# Altium PCB spd150.PcbDoc (part 3 of 15) (continued)
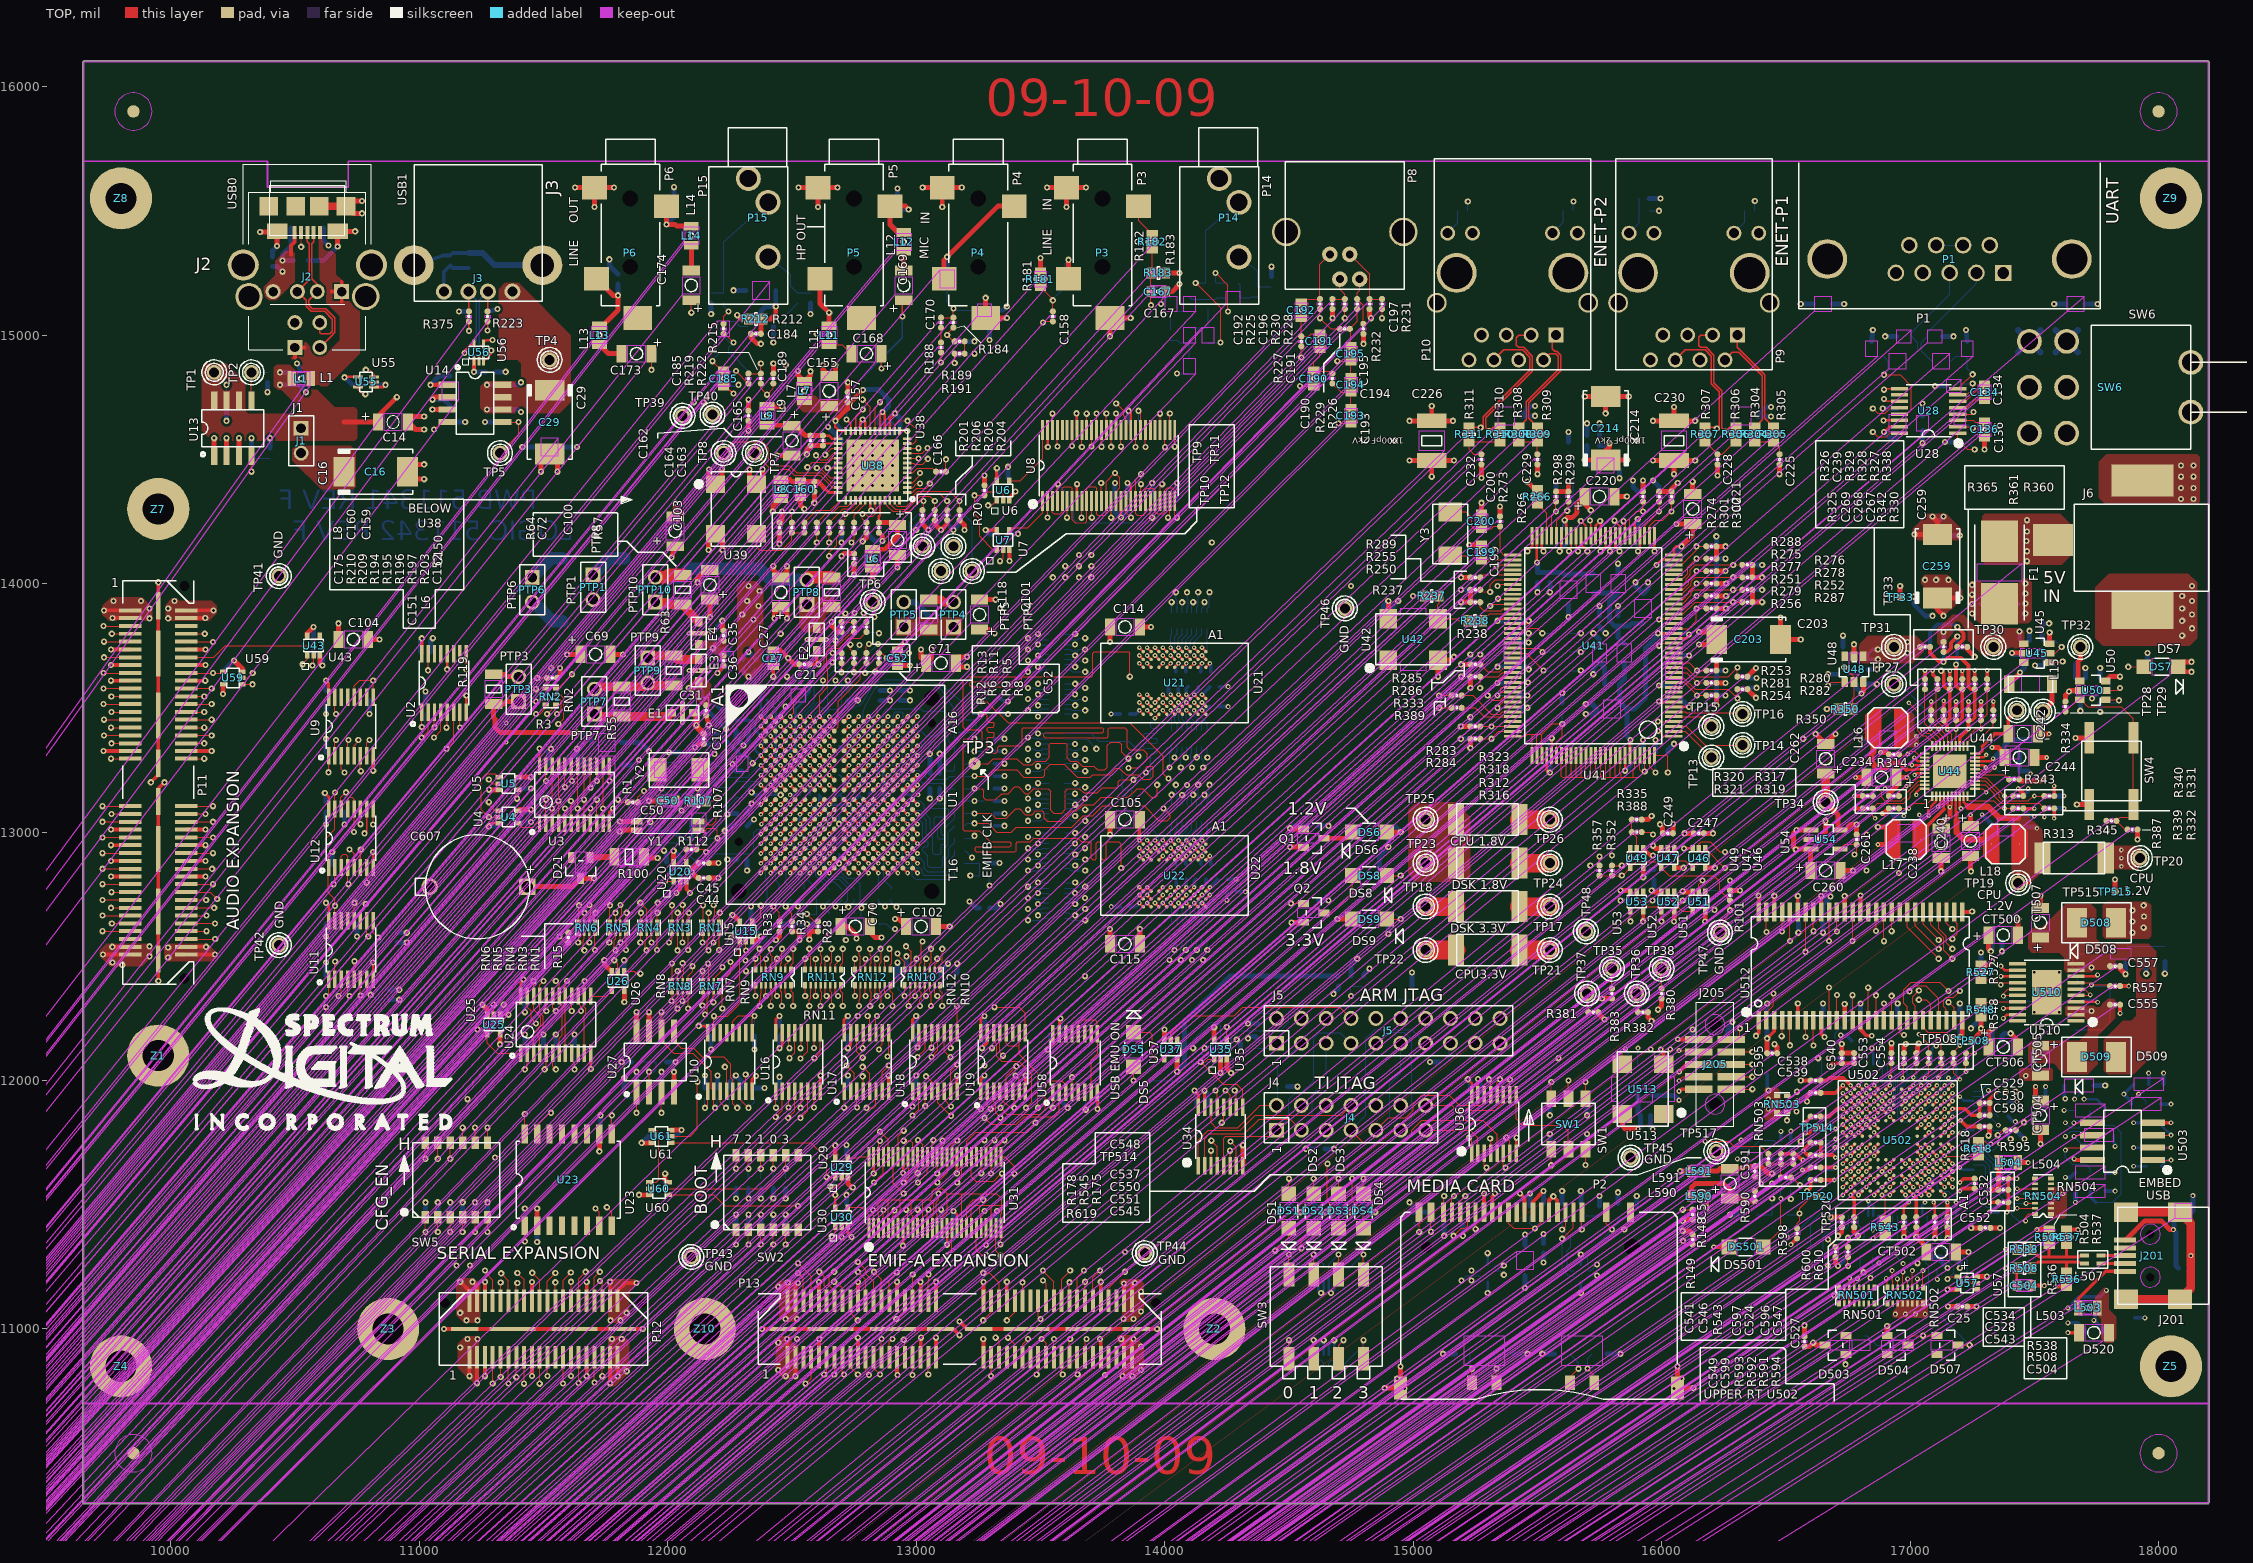
[diagram p0: TOP view]
## Footprints (in the part's own frame and the unit in brackets; to place one, negate y for a bottom-side part, rotate by r counter-clockwise, add the part's x,y. Pads: shape width x height; smd on the part's side, far side on the other; paste and mask are expansions set on the pad) (continued)
R402-25#39 [mil] "R402-25"
  round 25 smd: 1(20,0) 2(-20,0)
  TOP keep-out region: 5,10 5,-10 -5,-10 -5,10 5,10 11450,15050
  silkscreen extent -4,-4 4,4
R402-25#40 [mil] "R402-25"
  round 25 smd: 1(20,0) 2(-20,0)
  TOP keep-out region: 5,10 5,-10 -5,-10 -5,10 5,10 14475,-11975
  silkscreen extent -4,-4 4,4
R402-25#41 [mil] "R402-25"
  round 25 smd: 1(20,0) 2(-20,0)
  TOP keep-out region: 5,10 5,-10 -5,-10 -5,10 5,10 12150,14250
  silkscreen extent -4,-4 4,4
R402-25#42 [mil] "R402-25"
  round 25 smd: 1(-20,0) 2(20,0)
  TOP keep-out region: -5,-10 -5,10 5,10 5,-10 -5,-10 11685,-16430
  silkscreen extent -4,-4 4,4
R402-25#43 [mil] "R402-25"
  round 25 smd: 1(-20,0) 2(20,0)
  TOP keep-out region: -5,-10 -5,10 5,10 5,-10 -5,-10 15050,-13150
  silkscreen extent -4,-4 4,4
R402-25#44 [mil] "R402-25"
  round 25 smd: 1(20,0) 2(-20,0)
  TOP keep-out region: 5,10 5,-10 -5,-10 -5,10 5,10 15525,12925
  silkscreen extent -4,-4 4,4
R402-25#45 [mil] "R402-25"
  round 25 smd: 1(-20,0) 2(20,0)
  TOP keep-out region: -5,-10 -5,10 5,10 5,-10 -5,-10 14950,-13100
  silkscreen extent -4,-4 4,4
R402-25#46 [mil] "R402-25"
  round 25 smd: 1(-20,0) 2(20,0)
  TOP keep-out region: -5,-10 -5,10 5,10 5,-10 -5,-10 13175,14925
  silkscreen extent -4,-4 4,4
R402-25#47 [mil] "R402-25"
  round 25 smd: 1(20,0) 2(-20,0)
  TOP keep-out region: 5,10 5,-10 -5,-10 -5,10 5,10 15225,11800
  silkscreen extent -4,-4 4,4
R402-25#48 [mil] "R402-25"
  round 25 smd: 1(20,0) 2(-20,0)
  TOP keep-out region: 5,10 5,-10 -5,-10 -5,10 5,10 14275,13175
  silkscreen extent -4,-4 4,4
R402-25#49 [mil] "R402-25"
  round 25 smd: 1(-20,0) 2(20,0)
  TOP keep-out region: -5,-10 -5,10 5,10 5,-10 -5,-10 14275,-13175
  silkscreen extent -4,-4 4,4
R402-25#50 [mil] "R402-25"
  round 25 smd: 1(-20,0) 2(20,0)
  TOP keep-out region: -5,-10 -5,10 5,10 5,-10 -5,-10 14225,-12500
  silkscreen extent -4,-4 4,4
R402-25#51 [mil] "R402-25"
  round 25 smd: 1(20,0) 2(-20,0)
  TOP keep-out region: 5,10 5,-10 -5,-10 -5,10 5,10 15000,14025
  silkscreen extent -4,-4 4,4
R402-25#52 [mil] "R402-25"
  round 25 smd: 1(20,0) 2(-20,0)
  TOP keep-out region: 5,10 5,-10 -5,-10 -5,10 5,10 15125,14175
  silkscreen extent -4,-4 4,4
R402-25#53 [mil] "R402-25"
  round 25 smd: 1(20,0) 2(-20,0)
  TOP keep-out region: 5,10 5,-10 -5,-10 -5,10 5,10 15175,14375
  silkscreen extent -4,-4 4,4
R402-25#54 [mil] "R402-25"
  round 25 smd: 1(20,0) 2(-20,0)
  TOP keep-out region: 5,10 5,-10 -5,-10 -5,10 5,10 12225,-14925
  silkscreen extent -4,-4 4,4
R402-25#55 [mil] "R402-25"
  round 25 smd: 1(20,0) 2(-20,0)
  TOP keep-out region: 5,10 5,-10 -5,-10 -5,10 5,10 15150,12225
  silkscreen extent -4,-4 4,4
R402-25#56 [mil] "R402-25"
  round 25 smd: 1(-20,0) 2(20,0)
  TOP keep-out region: -5,-10 -5,10 5,10 5,-10 -5,-10 14825,-12375
  silkscreen extent -4,-4 4,4
R402-25#57 [mil] "R402-25"
  round 25 smd: 1(-20,0) 2(20,0)
  TOP keep-out region: -5,-10 -5,10 5,10 5,-10 -5,-10 14975,-14550
  silkscreen extent -4,-4 4,4
R402-25#58 [mil] "R402-25"
  round 25 smd: 1(-20,0) 2(20,0)
  TOP keep-out region: -5,-10 -5,10 5,10 5,-10 -5,-10 15025,-14800
  silkscreen extent -4,-4 4,4
R402-25#59 [mil] "R402-25"
  round 25 smd: 1(20,0) 2(-20,0)
  TOP keep-out region: 5,10 5,-10 -5,-10 -5,10 5,10 15930,-15500
  silkscreen extent -4,-4 4,4
R402-25#60 [mil] "R402-25"
  round 25 smd: 1(20,0) 2(-20,0)
  TOP keep-out region: 5,10 5,-10 -5,-10 -5,10 5,10 16355,-15500
  silkscreen extent -4,-4 4,4
R402-25#61 [mil] "R402-25"
  round 25 smd: 1(20,0) 2(-20,0)
  TOP keep-out region: 5,10 5,-10 -5,-10 -5,10 5,10 15200,-15500
  silkscreen extent -4,-4 4,4
R402-25#62 [mil] "R402-25"
  round 25 smd: 1(20,0) 2(-20,0)
  TOP keep-out region: 5,10 5,-10 -5,-10 -5,10 5,10 15625,-15500
  silkscreen extent -4,-4 4,4
R402-25#63 [mil] "R402-25"
  round 25 smd: 1(20,0) 2(-20,0)
  TOP keep-out region: 5,10 5,-10 -5,-10 -5,10 5,10 15250,-13975
  silkscreen extent -4,-4 4,4
R402-25#64 [mil] "R402-25"
  round 25 smd: 1(-20,0) 2(20,0)
  TOP keep-out region: -5,-10 -5,10 5,10 5,-10 -5,-10 15250,13975
  silkscreen extent -4,-4 4,4
R402-25#65 [mil] "R402-25"
  round 25 smd: 1(-20,0) 2(20,0)
  TOP keep-out region: -5,-10 -5,10 5,10 5,-10 -5,-10 14250,-15350
  silkscreen extent -4,-4 4,4
R402-25#66 [mil] "R402-25"
  round 25 smd: 1(20,0) 2(-20,0)
  TOP keep-out region: 5,10 5,-10 -5,-10 -5,10 5,10 15400,-13550
  silkscreen extent -4,-4 4,4
R402-25#67 [mil] "R402-25"
  round 25 smd: 1(20,0) 2(-20,0)
  TOP keep-out region: 5,10 5,-10 -5,-10 -5,10 5,10 13120,16860
  silkscreen extent -4,-4 4,4
R402-25#68 [mil] "R402-25"
  round 25 smd: 1(-20,0) 2(20,0)
  TOP keep-out region: -5,-10 -5,10 5,10 5,-10 -5,-10 13470,-17085
  silkscreen extent -4,-4 4,4
R402-25#69 [mil] "R402-25"
  round 25 smd: 1(-20,0) 2(20,0)
  TOP keep-out region: -5,-10 -5,10 5,10 5,-10 -5,-10 13595,-17060
  silkscreen extent -4,-4 4,4
R402-25#70 [mil] "R402-25"
  round 25 smd: 1(-20,0) 2(20,0)
  TOP keep-out region: -5,-10 -5,10 5,10 5,-10 -5,-10 17560,13145
  silkscreen extent -4,-4 4,4
R402-25#71 [mil] "R402-25"
  round 25 smd: 1(-20,0) 2(20,0)
  TOP keep-out region: -5,-10 -5,10 5,10 5,-10 -5,-10 15900,13050
  silkscreen extent -4,-4 4,4
R402-25#72 [mil] "R402-25"
  round 25 smd: 1(20,0) 2(-20,0)
  TOP keep-out region: 5,10 5,-10 -5,-10 -5,10 5,10 17560,-13145
  silkscreen extent -4,-4 4,4
R402-25#73 [mil] "R402-25"
  round 25 smd: 1(-20,0) 2(20,0)
  TOP keep-out region: -5,-10 -5,10 5,10 5,-10 -5,-10 17435,13095
  silkscreen extent -4,-4 4,4
R402-25#74 [mil] "R402-25"
  round 25 smd: 1(20,0) 2(-20,0)
  TOP keep-out region: 5,10 5,-10 -5,-10 -5,10 5,10 17435,-13095
  silkscreen extent -4,-4 4,4
R402-25#75 [mil] "R402-25"
  round 25 smd: 1(-20,0) 2(20,0)
  TOP keep-out region: -5,-10 -5,10 5,10 5,-10 -5,-10 17810,13045
  silkscreen extent -4,-4 4,4
R402-25#76 [mil] "R402-25"
  round 25 smd: 1(20,0) 2(-20,0)
  TOP keep-out region: 5,10 5,-10 -5,-10 -5,10 5,10 17460,-13770
  silkscreen extent -4,-4 4,4
R402-25#77 [mil] "R402-25"
  round 25 smd: 1(-20,0) 2(20,0)
  TOP keep-out region: -5,-10 -5,10 5,10 5,-10 -5,-10 12845,-15800
  silkscreen extent -4,-4 4,4
R402-25#78 [mil] "R402-25"
  round 25 smd: 1(20,0) 2(-20,0)
  TOP keep-out region: 5,10 5,-10 -5,-10 -5,10 5,10 17685,-13620
  silkscreen extent -4,-4 4,4
R402-25#79 [mil] "R402-25"
  round 25 smd: 1(20,0) 2(-20,0)
  TOP keep-out region: 5,10 5,-10 -5,-10 -5,10 5,10 17785,-13620
  silkscreen extent -4,-4 4,4
R402-25#80 [mil] "R402-25"
  round 25 smd: 1(20,0) 2(-20,0)
  TOP keep-out region: 5,10 5,-10 -5,-10 -5,10 5,10 17060,-13745
  silkscreen extent -4,-4 4,4
R402-25#81 [mil] "R402-25"
  round 25 smd: 1(-20,0) 2(20,0)
  TOP keep-out region: -5,-10 -5,10 5,10 5,-10 -5,-10 17210,13745
  silkscreen extent -4,-4 4,4
R402-25#82 [mil] "R402-25"
  round 25 smd: 1(-20,0) 2(20,0)
  TOP keep-out region: -5,-10 -5,10 5,10 5,-10 -5,-10 13745,-17135
  silkscreen extent -4,-4 4,4
R402-25#83 [mil] "R402-25"
  round 25 smd: 1(-20,0) 2(20,0)
  TOP keep-out region: -5,-10 -5,10 5,10 5,-10 -5,-10 12350,-16000
  silkscreen extent -4,-4 4,4
R402-25#84 [mil] "R402-25"
  round 25 smd: 1(-20,0) 2(20,0)
  TOP keep-out region: -5,-10 -5,10 5,10 5,-10 -5,-10 17895,13010
  silkscreen extent -4,-4 4,4
R402-25#85 [mil] "R402-25"
  round 25 smd: 1(20,0) 2(-20,0)
  TOP keep-out region: 5,10 5,-10 -5,-10 -5,10 5,10 15215,14430
  silkscreen extent -4,-4 4,4
R402-25#86 [mil] "R402-25"
  round 25 smd: 1(20,0) 2(-20,0)
  TOP keep-out region: 5,10 5,-10 -5,-10 -5,10 5,10 15075,11200
  silkscreen extent -4,-4 4,4
R402-25#87 [mil] "R402-25"
  round 25 smd: 1(20,0) 2(-20,0)
  TOP keep-out region: 5,10 5,-10 -5,-10 -5,10 5,10 12820,11950
  silkscreen extent -4,-4 4,4
R402-25#88 [mil] "R402-25"
  round 25 smd: 1(20,0) 2(-20,0)
  TOP keep-out region: 5,10 5,-10 -5,-10 -5,10 5,10 12300,17690
  silkscreen extent -4,-4 4,4
R402-25#89 [mil] "R402-25"
  round 25 smd: 1(20,0) 2(-20,0)
  TOP keep-out region: 5,10 5,-10 -5,-10 -5,10 5,10 16285,-12165
  silkscreen extent -4,-4 4,4
R402-25#90 [mil] "R402-25"
  round 25 smd: 1(-20,0) 2(20,0)
  TOP keep-out region: -5,-10 -5,10 5,10 5,-10 -5,-10 17825,12380
  silkscreen extent -4,-4 4,4
R402-25#91 [mil] "R402-25"
  round 25 smd: 1(-20,0) 2(20,0)
  TOP keep-out region: -5,-10 -5,10 5,10 5,-10 -5,-10 11385,-16545
  silkscreen extent -4,-4 4,4
R402-25#92 [mil] "R402-25"
  round 25 smd: 1(-20,0) 2(20,0)
  TOP keep-out region: -5,-10 -5,10 5,10 5,-10 -5,-10 11310,-16700
  silkscreen extent -4,-4 4,4
R402-25#93 [mil] "R402-25"
  round 25 smd: 1(20,0) 2(-20,0)
  TOP keep-out region: 5,10 5,-10 -5,-10 -5,10 5,10 12235,16950
  silkscreen extent -4,-4 4,4
R402-25#94 [mil] "R402-25"
  round 25 smd: 1(20,0) 2(-20,0)
  TOP keep-out region: 5,10 5,-10 -5,-10 -5,10 5,10 16785,-12160
  silkscreen extent -4,-4 4,4
R402-25#95 [mil] "R402-25"
  round 25 smd: 1(-20,0) 2(20,0)
  TOP keep-out region: -5,-10 -5,10 5,10 5,-10 -5,-10 16500,11610
  silkscreen extent -4,-4 4,4
R603-35X45#1 [mil] "R603-35X45"
  rrect0% 35x45 smd: 1(30,0) 2(-30,0)
  TOP keep-out region: 10,-20 -10,-20 -10,20 10,20 10,-20 17980,-11655
  silkscreen extent -5,-25 5,25
R603-35X45#2 [mil] "R603-35X45"
  rrect0% 35x45 smd: 1(-30,0) 2(30,0)
  TOP keep-out region: -10,20 10,20 10,-20 -10,-20 -10,20 12125,13125
  silkscreen extent -5,-25 5,25
R603-35X45#3 [mil] "R603-35X45"
  rrect0% 35x45 smd: 1(30,0) 2(-30,0)
  TOP keep-out region: 10,-20 -10,-20 -10,20 10,20 10,-20 -11475,-15825
  silkscreen extent -5,-25 5,25
R603-35X45#4 [mil] "R603-35X45"
  rrect0% 35x45 smd: 1(30,0) 2(-30,0)
  TOP keep-out region: 10,-20 -10,-20 -10,20 10,20 10,-20 11450,15125
  silkscreen extent -5,-25 5,25
R603-35X45#5 [mil] "R603-35X45"
  rrect0% 35x45 smd: 1(30,0) 2(-30,0)
  TOP keep-out region: 10,-20 -10,-20 -10,20 10,20 10,-20 15600,-10900
  silkscreen extent -5,-25 5,25
R603-35X45#6 [mil] "R603-35X45"
  rrect0% 35x45 smd: 1(30,0) 2(-30,0)
  TOP keep-out region: 10,-20 -10,-20 -10,20 10,20 10,-20 15200,-10900
  silkscreen extent -5,-25 5,25
R603-35X45#7 [mil] "R603-35X45"
  rrect0% 35x45 smd: 1(30,0) 2(-30,0)
  TOP keep-out region: 10,-20 -10,-20 -10,20 10,20 10,-20 14225,-12075
  silkscreen extent -5,-25 5,25
R603-35X45#8 [mil] "R603-35X45"
  rrect0% 35x45 smd: 1(30,0) 2(-30,0)
  TOP keep-out region: 10,-20 -10,-20 -10,20 10,20 10,-20 16350,-11460
  silkscreen extent -5,-25 5,25
R603-35X45#9 [mil] "R603-35X45"
  rrect0% 35x45 smd: 1(30,0) 2(-30,0)
  TOP keep-out region: 10,-20 -10,-20 -10,20 10,20 10,-20 15025,-12375
  silkscreen extent -5,-25 5,25
R603-35X45#10 [mil] "R603-35X45"
  rrect0% 35x45 smd: 1(-30,0) 2(30,0)
  TOP keep-out region: -10,20 10,20 10,-20 -10,-20 -10,20 -15225,13500
  silkscreen extent -5,-25 5,25
R603-35X45#11 [mil] "R603-35X45"
  rrect0% 35x45 smd: 1(-30,0) 2(30,0)
  TOP keep-out region: -10,20 10,20 10,-20 -10,-20 -10,20 15375,-13950
  silkscreen extent -5,-25 5,25
R603-35X45#12 [mil] "R603-35X45"
  rrect0% 35x45 smd: 1(-30,0) 2(30,0)
  TOP keep-out region: -10,20 10,20 10,-20 -10,-20 -10,20 12355,15065
  silkscreen extent -5,-25 5,25
R603-35X45#13 [mil] "R603-35X45"
  rrect0% 35x45 smd: 1(-30,0) 2(30,0)
  TOP keep-out region: -10,20 10,20 10,-20 -10,-20 -10,20 15250,13850
  silkscreen extent -5,-25 5,25
R603-35X45#14 [mil] "R603-35X45"
  rrect0% 35x45 smd: 1(-30,0) 2(30,0)
  TOP keep-out region: -10,20 10,20 10,-20 -10,-20 -10,20 14350,-15500
  silkscreen extent -5,-25 5,25
R603-35X45#15 [mil] "R603-35X45"
  rrect0% 35x45 smd: 1(-30,0) 2(30,0)
  TOP keep-out region: -10,20 10,20 10,-20 -10,-20 -10,20 14600,-16375
  silkscreen extent -5,-25 5,25
R603-35X45#16 [mil] "R603-35X45"
  rrect0% 35x45 smd: 1(30,0) 2(-30,0)
  TOP keep-out region: 10,-20 -10,-20 -10,20 10,20 10,-20 12970,16660
  silkscreen extent -5,-25 5,25
R603-35X45#17 [mil] "R603-35X45"
  rrect0% 35x45 smd: 1(30,0) 2(-30,0)
  TOP keep-out region: 10,-20 -10,-20 -10,20 10,20 10,-20 10525,-15300
  silkscreen extent -5,-25 5,25
R603-35X45#18 [mil] "R603-35X45"
  rrect0% 35x45 smd: 1(30,0) 2(-30,0)
  TOP keep-out region: 10,-20 -10,-20 -10,20 10,20 10,-20 15300,11200
  silkscreen extent -5,-25 5,25
R603-35X45#19 [mil] "R603-35X45"
  rrect0% 35x45 smd: 1(-30,0) 2(30,0)
  TOP keep-out region: -10,20 10,20 10,-20 -10,-20 -10,20 11370,-17560
  silkscreen extent -5,-25 5,25
R603-35X45#20 [mil] "R603-35X45"
  rrect0% 35x45 smd: 1(-30,0) 2(30,0)
  TOP keep-out region: -10,20 10,20 10,-20 -10,-20 -10,20 12435,-17285
  silkscreen extent -5,-25 5,25
R603-35X45#21 [mil] "R603-35X45"
  rrect0% 35x45 smd: 1(30,0) 2(-30,0)
  TOP keep-out region: 10,-20 -10,-20 -10,20 10,20 10,-20 12435,17285
  silkscreen extent -5,-25 5,25
R603-35X45#22 [mil] "R603-35X45"
  rrect0% 35x45 smd: 1(30,0) 2(-30,0)
  TOP keep-out region: 10,-20 -10,-20 -10,20 10,20 10,-20 17715,-11085
  silkscreen extent -5,-25 5,25
R603-35X45#23 [mil] "R603-35X45"
  rrect0% 35x45 smd: 1(-30,0) 2(30,0)
  TOP keep-out region: -10,20 10,20 10,-20 -10,-20 -10,20 11200,-17630
  silkscreen extent -5,-25 5,25
R603-35X45#24 [mil] "R603-35X45"
  rrect0% 35x45 smd: 1(-30,0) 2(30,0)
  TOP keep-out region: -10,20 10,20 10,-20 -10,-20 -10,20 11410,-16900
  silkscreen extent -5,-25 5,25
R603-35X45#25 [mil] "R603-35X45"
  rrect0% 35x45 smd: 1(30,0) 2(-30,0)
  TOP keep-out region: 10,-20 -10,-20 -10,20 10,20 10,-20 12510,18025
  silkscreen extent -5,-25 5,25
R603-35X45#26 [mil] "R603-35X45"
  rrect0% 35x45 smd: 1(-30,0) 2(30,0)
  TOP keep-out region: -10,20 10,20 10,-20 -10,-20 -10,20 11725,-17275
  silkscreen extent -5,-25 5,25
R1206-40X70#1 [mil] "R1206-40X70"
  rrect0% 40x70 smd: 1(-60,0) 2(60,0)
  Multi-Layer keep-out region: -35,35 35,35 35,-35 -35,-35 -35,35 -13525,11815
  silkscreen extent -15,-30 15,30
R1206-40X70#2 [mil] "R1206-40X70"
  rrect0% 40x70 smd: 1(-60,0) 2(60,0)
  Multi-Layer keep-out region: -35,35 35,35 35,-35 -35,-35 -35,35 13650,-12025
  silkscreen extent -15,-30 15,30
R1206-40X70#3 [mil] "R1206-40X70"
  rrect0% 40x70 smd: 1(-60,0) 2(60,0)
  Multi-Layer keep-out region: -35,35 35,35 35,-35 -35,-35 -35,35 11845,12900
  silkscreen extent -15,-30 15,30
R1206-40X70#4 [mil] "R1206-40X70"
  rrect0% 40x70 smd: 1(-60,0) 2(60,0)
  Multi-Layer keep-out region: -35,35 35,35 35,-35 -35,-35 -35,35 13575,-11300
  silkscreen extent -15,-30 15,30
R2512#1 [mil] "R2512"
  rect 65x125 smd: 1(127.5,0) 2(-127.5,0)
  silkscreen extent -124,-63 124,63
R2512#2 [mil] "R2512"
  rect 65x125 smd: 1(-127.5,0) 2(127.5,0)
  silkscreen extent -124,-63 124,63
RGZ48-11X34 [mil] "RGZ48-11X34"
  rect 11x34 smd: 1(-108.2,-139) 2(-88.6,-139) 3(-68.9,-139) 4(-49.2,-139) 5(-29.5,-139) 6(-9.8,-139) 7(9.8,-139) 8(29.5,-139) 9(49.2,-139) 10(68.9,-139) 11(88.6,-139) 12(108.2,-139) 25(108.2,139) 26(88.6,139) 27(68.9,139) 28(49.2,139) 29(29.5,139) 30(9.8,139) 31(-9.8,139) 32(-29.5,139) 33(-49.2,139) 34(-68.9,139) 35(-88.6,139) 36(-108.2,139)
  rect 34x11 smd: 13(139,-108.2) 14(139,-88.6) 15(139,-68.9) 16(139,-49.2) 17(139,-29.5) 18(139,-9.8) 19(139,9.8) 20(139,29.5) 21(139,49.2) 22(139,68.9) 23(139,88.6) 24(139,108.2) 37(-139,108.2) 38(-139,88.6) 39(-139,68.9) 40(-139,49.2) 41(-139,29.5) 42(-139,9.8) 43(-139,-9.8) 44(-139,-29.5) 45(-139,-49.2) 46(-139,-68.9) 47(-139,-88.6) 48(-139,-108.2)
  rect 210x210 smd: 49(0,0)
  silkscreen extent -142,-142 142,142
RPAK8-10X25-28V#1 [mil] "RPAK8-10X25-28V"
  rect 16x25 smd: 1(-32.1,-20.5) 4(32.7,-20.5) 5(32.7,20.5) 8(-32.1,20.5)
  rect 10x25 smd: 2(-9.5,-20.5) 3(10.1,-20.5) 6(10.1,20.5) 7(-9.5,20.5)
  silkscreen extent -45,-31 46,31
RPAK8-10X25-28V#2 [mil] "RPAK8-10X25-28V"
  rect 16x25 smd: 1(32.1,20.5) 4(-32.7,20.5) 5(-32.7,-20.5) 8(32.1,-20.5)
  rect 10x25 smd: 2(9.5,20.5) 3(-10.1,20.5) 6(-10.1,-20.5) 7(9.5,-20.5)
  silkscreen extent -46,-31 45,31
RPAK16-10X25-2HV#1 [mil] "RPAK16-10X25-2HV"
  rect 16x25 smd: 1(-74.1,-32) 8(69.1,-32) 9(69.1,32) 16(-74.1,32)
  rect 10x25 smd: 2(-51.5,-32) 3(-31.9,-32) 4(-12.3,-32) 5(7.3,-32) 6(26.9,-32) 7(46.5,-32) 10(46.5,32) 11(26.9,32) 12(7.3,32) 13(-12.3,32) 14(-31.9,32) 15(-51.5,32)
  silkscreen extent -88,-40 82,40
RPAK16-10X25-2HV#2 [mil] "RPAK16-10X25-2HV"
  rect 16x25 smd: 1(74.1,32) 8(-69.1,32) 9(-69.1,-32) 16(74.1,-32)
  rect 10x25 smd: 2(51.5,32) 3(31.9,32) 4(12.3,32) 5(-7.3,32) 6(-26.9,32) 7(-46.5,32) 10(-46.5,-32) 11(-26.9,-32) 12(-7.3,-32) 13(12.3,-32) 14(31.9,-32) 15(51.5,-32)
  silkscreen extent -82,-40 88,40
RSB40-9X39 [mil] "RSB40-9X39"
  rrect0% 9x39 smd: 1(-70.8,-101) 2(-55.1,-101) 3(-39.4,-101) 4(-23.6,-101) 5(-7.9,-101) 6(7.9,-101) 7(23.6,-101) 8(39.4,-101) 9(55.1,-101) 10(70.8,-101) 21(70.8,101) 22(55.1,101) 23(39.4,101) 24(23.6,101) 25(7.9,101) 26(-7.9,101) 27(-23.6,101) 28(-39.4,101) 29(-55.1,101) 30(-70.8,101)
  rrect0% 39x9 smd: 11(101,-70.8) 12(101,-55.1) 13(101,-39.4) 14(101,-23.6) 15(101,-7.9) 16(101,7.9) 17(101,23.6) 18(101,39.4) 19(101,55.1) 20(101,70.8) 31(-101,70.8) 32(-101,55.1) 33(-101,39.4) 34(-101,23.6) 35(-101,7.9) 36(-101,-7.9) 37(-101,-23.6) 38(-101,-39.4) 39(-101,-55.1) 40(-101,-70.8)
  rect 136x136 smd: 41(0,0)
  silkscreen extent -101,-101 101,101
RSE10 [mil] "RSE10"
  rect 12x23 smd: 1(29.5,27.5) 4(-30.5,27.5) 6(-30.5,-26.5) 9(29.5,-26.5)
  rect 10x23 smd: 2(9.5,27.5) 3(-10.5,27.5) 7(-10.5,-26.5) 8(9.5,-26.5)
  rect 25x14 smd: 5(-34.5,0.5) 10(33.5,0.5)
  silkscreen extent -40,-31 74,55
SAMTEC-MUSB [mil] "SAMTEC-MUSB"
  rect 20x90 smd: 1(-63,147.5) 2(-31.5,147.5) 3(0,147.5) 4(31.5,147.5) 5(63,147.5)
  rect 79x98 smd: 6(-175,143.5) 7(175,143.5) 8(-175,-73.5) 9(175,-73.5)
  round 20 / inner round 80 / far side round 20 hole 35: " "(-86.5,45.5) " "(86.5,45.5)
  Multi-Layer keep-out circle w1: c86.5,45.5 r40
  Multi-Layer keep-out circle w1: c-86.5,45.5 r40
  silkscreen extent -195,-190 195,176
SKT256-6064 [mil] "SKT256-6064"
  round 40 / inner round 93 / far side round 40 hole 63: " "(-388.3,-388.3) " "(-388.3,388.3) " "(388.3,-388.3) " "(388.3,388.3)
  round 20 / inner round 80 / far side round 20 hole 34: " "(-388.3,-188.3) " "(388.3,288.3)
  round 20 smd: A1(-280.4,295.5) A2(-241,295.5) A3(-201.6,295.5) A4(-162.2,295.5) A5(-122.8,295.5) A6(-83.4,295.5) A7(-44,295.5) A8(-4.6,295.5) A9(34.8,295.5) A10(74.2,295.5) A11(113.6,295.5) A12(153,295.5) A13(192.4,295.5) A14(231.8,295.5) A15(271.2,295.5) A16(310.6,295.5) B1(-280.4,256.1) B2(-241,256.1) B3(-201.6,256.1) B4(-162.2,256.1) B5(-122.8,256.1) B6(-83.4,256.1) B7(-44,256.1) B8(-4.6,256.1) B9(34.8,256.1) B10(74.2,256.1) B11(113.6,256.1) B12(153,256.1) B13(192.4,256.1) B14(231.8,256.1) B15(271.2,256.1) B16(310.6,256.1) C1(-280.4,216.7) C2(-241,216.7) C3(-201.6,216.7) C4(-162.2,216.7) C5(-122.8,216.7) C6(-83.4,216.7) C7(-44,216.7) C8(-4.6,216.7) C9(34.8,216.7) C10(74.2,216.7) C11(113.6,216.7) C12(153,216.7) C13(192.4,216.7) C14(231.8,216.7) C15(271.2,216.7) C16(310.6,216.7) D1(-280.4,177.3) D2(-241,177.3) D3(-201.6,177.3) D4(-162.2,177.3) D5(-122.8,177.3) D6(-83.4,177.3) D7(-44,177.3) D8(-4.6,177.3) D9(34.8,177.3) D10(74.2,177.3) D11(113.6,177.3) D12(153,177.3) D13(192.4,177.3) D14(231.8,177.3) D15(271.2,177.3) D16(310.6,177.3) E1(-280.4,137.9) E2(-241,137.9) E3(-201.6,137.9) E4(-162.2,137.9) E5(-122.8,137.9) E6(-83.4,137.9) E7(-44,137.9) E8(-4.6,137.9) E9(34.8,137.9) E10(74.2,137.9) E11(113.6,137.9) E12(153,137.9) E13(192.4,137.9) E14(231.8,137.9) E15(271.2,137.9) E16(310.6,137.9) F1(-280.4,98.5) F2(-241,98.5) F3(-201.6,98.5) F4(-162.2,98.5) F5(-122.8,98.5) F6(-83.4,98.5) F7(-44,98.5) F8(-4.6,98.5) F9(34.8,98.5) F10(74.2,98.5) F11(113.6,98.5) F12(153,98.5) F13(192.4,98.5) F14(231.8,98.5) F15(271.2,98.5) F16(310.6,98.5) G1(-280.4,59.1) G2(-241,59.1) G3(-201.6,59.1) G4(-162.2,59.1) G5(-122.8,59.1) G6(-83.4,59.1) G7(-44,59.1) G8(-4.6,59.1) G9(34.8,59.1) G10(74.2,59.1) G11(113.6,59.1) G12(153,59.1) G13(192.4,59.1) G14(231.8,59.1) G15(271.2,59.1) G16(310.6,59.1) H1(-280.4,19.7) H2(-241,19.7) H3(-201.6,19.7) H4(-162.2,19.7) H5(-122.8,19.7) H6(-83.4,19.7) H7(-44,19.7) H8(-4.6,19.7) H9(34.8,19.7) H10(74.2,19.7) H11(113.6,19.7) H12(153,19.7) H13(192.4,19.7) H14(231.8,19.7) H15(271.2,19.7) H16(310.6,19.7) J1(-280.4,-19.7) J2(-241,-19.7) J3(-201.6,-19.7) J4(-162.2,-19.7) J5(-122.8,-19.7) J6(-83.4,-19.7) J7(-44,-19.7) J8(-4.6,-19.7) J9(34.8,-19.7) J10(74.2,-19.7) J11(113.6,-19.7) J12(153,-19.7) J13(192.4,-19.7) J14(231.8,-19.7) J15(271.2,-19.7) J16(310.6,-19.7) K1(-280.4,-59.1) K2(-241,-59.1) K3(-201.6,-59.1) K4(-162.2,-59.1) K5(-122.8,-59.1) K6(-83.4,-59.1) K7(-44,-59.1) K8(-4.6,-59.1) K9(34.8,-59.1) K10(74.2,-59.1) K11(113.6,-59.1) K12(153,-59.1) K13(192.4,-59.1) K14(231.8,-59.1) K15(271.2,-59.1) K16(310.6,-59.1) L1(-280.4,-98.5) L2(-241,-98.5) L3(-201.6,-98.5) L4(-162.2,-98.5) L5(-122.8,-98.5) L6(-83.4,-98.5) L7(-44,-98.5) L8(-4.6,-98.5) L9(34.8,-98.5) L10(74.2,-98.5) L11(113.6,-98.5) L12(153,-98.5) L13(192.4,-98.5) L14(231.8,-98.5) L15(271.2,-98.5) L16(310.6,-98.5) M1(-280.4,-137.9) M2(-241,-137.9) M3(-201.6,-137.9) M4(-162.2,-137.9) M5(-122.8,-137.9) M6(-83.4,-137.9) M7(-44,-137.9) M8(-4.6,-137.9) M9(34.8,-137.9) M10(74.2,-137.9) M11(113.6,-137.9) M12(153,-137.9) M13(192.4,-137.9) M14(231.8,-137.9) M15(271.2,-137.9) M16(310.6,-137.9) N1(-280.4,-177.3) N2(-241,-177.3) N3(-201.6,-177.3) N4(-162.2,-177.3) N5(-122.8,-177.3) N6(-83.4,-177.3) N7(-44,-177.3) N8(-4.6,-177.3) N9(34.8,-177.3) N10(74.2,-177.3) N11(113.6,-177.3) N12(153,-177.3) N13(192.4,-177.3) N14(231.8,-177.3) N15(271.2,-177.3) N16(310.6,-177.3) P1(-280.4,-216.7) P2(-241,-216.7) P3(-201.6,-216.7) P4(-162.2,-216.7) P5(-122.8,-216.7) P6(-83.4,-216.7) P7(-44,-216.7) P8(-4.6,-216.7) P9(34.8,-216.7) P10(74.2,-216.7) P11(113.6,-216.7) P12(153,-216.7) P13(192.4,-216.7) P14(231.8,-216.7) P15(271.2,-216.7) P16(310.6,-216.7) R1(-280.4,-256.1) R2(-241,-256.1) R3(-201.6,-256.1) R4(-162.2,-256.1) R5(-122.8,-256.1) R6(-83.4,-256.1) R7(-44,-256.1) R8(-4.6,-256.1) R9(34.8,-256.1) R10(74.2,-256.1) R11(113.6,-256.1) R12(153,-256.1) R13(192.4,-256.1) R14(231.8,-256.1) R15(271.2,-256.1) R16(310.6,-256.1) T1(-280.4,-295.5) T2(-241,-295.5) T3(-201.6,-295.5) T4(-162.2,-295.5) T5(-122.8,-295.5) T6(-83.4,-295.5) T7(-44,-295.5) T8(-4.6,-295.5) T9(34.8,-295.5) T10(74.2,-295.5) T11(113.6,-295.5) T12(153,-295.5) T13(192.4,-295.5) T14(231.8,-295.5) T15(271.2,-295.5) T16(310.6,-295.5)
  silkscreen extent -440,-440 440,440
SMC-80X128 [mil] "SMC-80X128"
  rect 80x128 smd: 1(123,0) 2(-123,0)
  silkscreen extent -140,-120 140,120
SO8-25X75#1 [mil] "SO8-25X75"
  rrect0% 25x75 smd: 1(-75,-110) 2(-25,-110) 3(25,-110) 4(75,-110) 5(75,110) 6(25,110) 7(-25,110) 8(-75,110)
  silkscreen extent -125,-75 125,75
SO8-25X75#2 [mil] "SO8-25X75"
  rrect0% 25x75 smd: 1(75,110) 2(25,110) 3(-25,110) 4(-75,110) 5(-75,-110) 6(-25,-110) 7(25,-110) 8(75,-110)
  silkscreen extent -125,-75 125,75
SO8-25X75-295 [mil] "SO8-25X75-295"
  rrect0% 25x100 smd: 1(-75,-121.5) 2(-25,-121.5) 3(25,-121.5) 4(75,-121.5) 5(75,121.5) 6(25,121.5) 7(-25,121.5) 8(-75,121.5)
  silkscreen extent -125,-75 125,75
SO16-25X75-300 [mil] "SO16-25X75-300"
  rrect0% 25x75 smd: 1(-175,-185) 2(-125,-185) 3(-75,-185) 4(-25,-185) 5(25,-185) 6(75,-185) 7(125,-185) 8(175,-185) 9(175,185) 10(125,185) 11(75,185) 12(25,185) 13(-25,185) 14(-75,185) 15(-125,185) 16(-175,185)
  silkscreen extent -210,-155 210,155
SOT23-3 [mil] "SOT23-3"
  rect 28x44 smd: 1(-38,-42) 2(38,-42) 3(0,42)
  Multi-Layer keep-out region: -20,20 20,20 20,-65 -20,-65 -20,20 11650,12855
  silkscreen extent -60,-30 60,30
SOT23-20X60-5 [mil] "SOT23-20X60-5"
  rect 20x60 smd: 1(-37.4,-59) 2(0,-59) 3(37.4,-59) 4(37.4,59) 5(-37.4,59)
  Multi-Layer keep-out region: -20,20 20,20 20,-65 -20,-65 -20,20 12970,-16660
  silkscreen extent -60,-30 60,30
SOT23-28X44#1 [mil] "SOT23-28X44"
  rect 28x44 smd: 1(-38,-42) 2(38,-42) 3(0,42)
  Multi-Layer keep-out region: -20,20 20,20 20,-65 -20,-65 -20,20 -10935,16700
  silkscreen extent -60,-30 60,30
SOT23-28X44#2 [mil] "SOT23-28X44"
  rect 28x44 smd: 1(-38,-42) 2(38,-42) 3(0,42)
  Multi-Layer keep-out region: -20,20 20,20 20,-65 -20,-65 -20,20 10935,-16950
  silkscreen extent -60,-30 60,30
SOT23-28X44#3 [mil] "SOT23-28X44"
  rect 28x44 smd: 1(38,42) 2(-38,42) 3(0,-42)
  Multi-Layer keep-out region: 20,-20 -20,-20 -20,65 20,65 20,-20 -10935,-16775
  silkscreen extent -60,-30 60,30
SOT23-28X44#4 [mil] "SOT23-28X44"
  rect 28x44 smd: 1(-38,-42) 2(38,-42) 3(0,42)
  Multi-Layer keep-out region: -20,20 20,20 20,-65 -20,-65 -20,20 12975,-14600
  silkscreen extent -60,-30 60,30
SOT23-28X44#5 [mil] "SOT23-28X44"
  rect 28x44 smd: 1(-38,-42) 2(38,-42) 3(0,42)
  Multi-Layer keep-out region: -20,20 20,20 20,-65 -20,-65 -20,20 12675,-14600
  silkscreen extent -60,-30 60,30
SOT23-28X44-GSD [mil] "SOT23-28X44-GSD"
  rect 28x44 smd: D(0,-42) G(38,42) S(-38,42)
  Multi-Layer keep-out region: 20,-20 -20,-20 -20,65 20,65 20,-20 -12510,-17825
  silkscreen extent -60,-30 60,30
ST_3500 [mil] "ST_3500"
  rect 100x94 smd: 1(-145,191) 2(-137,-176) 3(145,116)
  rect 115x98 smd: 4(30,-334)
  round 20 / inner round 100 / far side round 20 hole 63: 5(0,147) 6(0,-128)
  silkscreen extent -118,-285 118,385
SW4-44X96-CTS [mil] "SW4-44X96-CTS"
  rect 44x96 smd: 1(-150,-170) 2(-50,-170) 3(50,-170) 4(150,-170) 5(150,170) 6(50,170) 7(-50,170) 8(-150,170)
  silkscreen extent -225,-250 225,200
SW6-30X50-TDA [mil] "SW6-30X50-TDA"
  rect 30x50 smd: 1(-125,-150) 2(-75,-150) 3(-25,-150) 4(25,-150) 5(75,-150) 6(125,-150) 7(125,150) 8(75,150) 9(25,150) 10(-25,150) 11(-75,150) 12(-125,150)
  silkscreen extent -225,-150 175,150
SW6-40X67_GW [mil] "SW6-40X67_GW"
  rect 40x67 smd: 1(-69,-102) 2(0,-102) 3(69,-102) 4(-69,102) 5(0,102) 6(69,102)
  silkscreen extent -180,-83 108,83
SW-40X126-EVQP1 [mil] "SW-40X126-EVQP1"
  rect 40x126 smd: A(-89,-134) A1(-89,134) B(89,-134) B1(89,134)
  silkscreen extent -120,-120 120,120
SW-7201-DPDT-10073 [mil] "SW-7201-DPDT-10073"
  round 100 hole 70: 1(-185,-432.5) 2(0,-432.5) 3(185,-432.5) 4(-185,-582.5) 5(0,-582.5) 6(185,-582.5) 7(-100,67.5) 8(100,67.5)
  silkscreen extent -250,-333 250,368
TP1-50X25 [mil] "TP1-50X25"
  round 50 / inner round 25 / far side round 25 hole 12: 1(0,0)
TP1-6040 [mil] "TP1-6040"
  round 60 hole 40: 1(0,0)
  silkscreen extent -50,-50 50,50
TP30 [mil] "TP30"
  round 30 smd: 1(0,0)
TQFP-100 [mil] "TQFP-100"
  rrect0% 11x70 smd: 1(236.4,305) 2(216.7,305) 3(197,305) 4(177.3,305) 5(157.6,305) 6(137.9,305) 7(118.2,305) 8(98.5,305) 9(78.8,305) 10(59.1,305) 11(39.4,305) 12(19.7,305) 13(0,305) 14(-19.7,305) 15(-39.4,305) 16(-59.1,305) 17(-78.8,305) 18(-98.5,305) 19(-118.2,305) 20(-137.9,305) 21(-157.6,305) 22(-177.3,305) 23(-197,305) 24(-216.7,305) 25(-236.4,305) 51(-236.4,-305) 52(-216.7,-305) 53(-197,-305) 54(-177.3,-305) 55(-157.6,-305) 56(-137.9,-305) 57(-118.2,-305) 58(-98.5,-305) 59(-78.8,-305) 60(-59.1,-305) 61(-39.4,-305) 62(-19.7,-305) 63(0,-305) 64(19.7,-305) 65(39.4,-305) 66(59.1,-305) 67(78.8,-305) 68(98.5,-305) 69(118.2,-305) 70(137.9,-305) 71(157.6,-305) 72(177.3,-305) 73(197,-305) 74(216.7,-305) 75(236.4,-305)
  rrect0% 70x11 smd: 26(-305,236.4) 27(-305,216.7) 28(-305,197) 29(-305,177.3) 30(-305,157.6) 31(-305,137.9) 32(-305,118.2) 33(-305,98.5) 34(-305,78.8) 35(-305,59.1) 36(-305,39.4) 37(-305,19.7) 38(-305,0) 39(-305,-19.7) 40(-305,-39.4) 41(-305,-59.1) 42(-305,-78.8) 43(-305,-98.5) 44(-305,-118.2) 45(-305,-137.9) 46(-305,-157.6) 47(-305,-177.3) 48(-305,-197) 49(-305,-216.7) 50(-305,-236.4) 76(305,-236.4) 77(305,-216.7) 78(305,-197) 79(305,-177.3) 80(305,-157.6) 81(305,-137.9) 82(305,-118.2) 83(305,-98.5) 84(305,-78.8) 85(305,-59.1) 86(305,-39.4) 87(305,-19.7) 88(305,0) 89(305,19.7) 90(305,39.4) 91(305,59.1) 92(305,78.8) 93(305,98.5) 94(305,118.2) 95(305,137.9) 96(305,157.6) 97(305,177.3) 98(305,197) 99(305,216.7) 100(305,236.4)
  silkscreen extent -276,-11760 16950,410

## Text inside footprints (layer, text, board x,y; h text height)
RN22: PIN_NUMBER "4" at 14082.2,12632 h10 r90; PIN_NUMBER "6" at 14121.4,12632 h10 r90; PIN_NUMBER "8" at 14163.6,12632 h10 r90; PIN_NUMBER "7" at 14141,12632 h10 r90; PIN_NUMBER "1" at 14020.4,12632 h10 r90; PIN_NUMBER "14" at 14054.6,12563 h10 r90; PIN_NUMBER "2" at 14043,12632 h10 r90; PIN_NUMBER "3" at 14062.6,12632 h10 r90; PIN_NUMBER "5" at 14101.8,12632 h10 r90; PIN_NUMBER "9" at 14163.6,12568 h10 r90; PIN_NUMBER "11" at 14113.4,12563 h10 r90; PIN_NUMBER "10" at 14133,12563 h10 r90; PIN_NUMBER "13" at 14074.2,12563 h10 r90; PIN_NUMBER "16" at 14012.4,12563 h10 r90; PIN_NUMBER "12" at 14093.8,12563 h10 r90; PIN_NUMBER "15" at 14035,12563 h10 r90; ASSEMBLY_BOTTOM "PART#" at 14016.4,12715 h40 r180; ASSEMBLY_BOTTOM "TOL" at 14016.4,12715 h40 r180; ASSEMBLY_BOTTOM "RPACK8-10" at 14021.4,12715 h40 r180
RN23: PIN_NUMBER "5" at 14674.4,10849.5 h10 r90; PIN_NUMBER "6" at 14651.8,10849.5 h10 r90; PIN_NUMBER "7" at 14632.2,10849.5 h10 r90; PIN_NUMBER "8" at 14609.6,10849.5 h10 r90; PIN_NUMBER "1" at 14609.6,10895.5 h10 r90; PIN_NUMBER "2" at 14632.2,10895.5 h10 r90; PIN_NUMBER "4" at 14674.4,10895.5 h10 r90; PIN_NUMBER "3" at 14651.8,10895.5 h10 r90; ASSEMBLY_BOTTOM "PART#" at 14605.6,10990 h40 r180; ASSEMBLY_BOTTOM "TOL" at 14605.6,10990 h40 r180; ASSEMBLY_BOTTOM "RPACK4-10K" at 14610.6,10990 h40 r180
RN24: PIN_NUMBER "3" at 14632.2,11204.5 h10 r270; PIN_NUMBER "4" at 14609.6,11204.5 h10 r270; PIN_NUMBER "1" at 14674.4,11204.5 h10 r270; PIN_NUMBER "2" at 14651.8,11204.5 h10 r270; PIN_NUMBER "8" at 14674.4,11250.5 h10 r270; PIN_NUMBER "5" at 14609.6,11250.5 h10 r270; PIN_NUMBER "6" at 14632.2,11250.5 h10 r270; PIN_NUMBER "7" at 14651.8,11250.5 h10 r270; ASSEMBLY_BOTTOM "PART#" at 14694.4,11110 h40; ASSEMBLY_BOTTOM "TOL" at 14694.4,11110 h40; ASSEMBLY_BOTTOM "RPACK4-1K" at 14689.4,11110 h40
RN501: PIN_NUMBER "1" at 16705.4,11103 h10 r90; PIN_NUMBER "16" at 16697.4,11172 h10 r90; PIN_NUMBER "15" at 16720,11172 h10 r90; PIN_NUMBER "5" at 16786.8,11103 h10 r90; PIN_NUMBER "12" at 16778.8,11172 h10 r90; PIN_NUMBER "6" at 16806.4,11103 h10 r90; PIN_NUMBER "11" at 16798.4,11172 h10 r90; PIN_NUMBER "7" at 16826,11103 h10 r90; PIN_NUMBER "10" at 16818,11172 h10 r90; PIN_NUMBER "8" at 16848.6,11103 h10 r90; PIN_NUMBER "9" at 16848.6,11167 h10 r90; PIN_NUMBER "4" at 16767.2,11103 h10 r90; PIN_NUMBER "3" at 16747.6,11103 h10 r90; PIN_NUMBER "2" at 16728,11103 h10 r90; PIN_NUMBER "14" at 16739.6,11172 h10 r90; PIN_NUMBER "13" at 16759.2,11172 h10 r90; ASSEMBLY_TOP "PART#" at 16701.4,11020 h40; ASSEMBLY_TOP "TOL" at 16701.4,11020 h40; ASSEMBLY_TOP "RN10K" at 16706.4,11020 h40
RN502: PIN_NUMBER "1" at 16900.4,11103 h10 r90; PIN_NUMBER "16" at 16892.4,11172 h10 r90; PIN_NUMBER "2" at 16923,11103 h10 r90; PIN_NUMBER "15" at 16915,11172 h10 r90; PIN_NUMBER "13" at 16954.2,11172 h10 r90; PIN_NUMBER "10" at 17013,11172 h10 r90; PIN_NUMBER "9" at 17043.6,11167 h10 r90; PIN_NUMBER "12" at 16973.8,11172 h10 r90; PIN_NUMBER "14" at 16934.6,11172 h10 r90; PIN_NUMBER "11" at 16993.4,11172 h10 r90; PIN_NUMBER "3" at 16942.6,11103 h10 r90; PIN_NUMBER "4" at 16962.2,11103 h10 r90; PIN_NUMBER "5" at 16981.8,11103 h10 r90; PIN_NUMBER "6" at 17001.4,11103 h10 r90; PIN_NUMBER "7" at 17021,11103 h10 r90; PIN_NUMBER "8" at 17043.6,11103 h10 r90; ASSEMBLY_TOP "PART#" at 16896.4,11020 h40; ASSEMBLY_TOP "TOL" at 16896.4,11020 h40; ASSEMBLY_TOP "RN10K" at 16901.4,11020 h40
RN503: PIN_NUMBER "7" at 16502.5,11914.8 h10; PIN_NUMBER "8" at 16502.5,11937.4 h10; PIN_NUMBER "5" at 16502.5,11872.6 h10; PIN_NUMBER "6" at 16502.5,11895.2 h10; PIN_NUMBER "1" at 16456.5,11937.4 h10; PIN_NUMBER "2" at 16456.5,11914.8 h10; PIN_NUMBER "3" at 16456.5,11895.2 h10; PIN_NUMBER "4" at 16456.5,11872.6 h10; ASSEMBLY_TOP "PART#" at 16370,11949.4 h40 r270; ASSEMBLY_TOP "TOL" at 16370,11949.4 h40 r270; ASSEMBLY_TOP "RN10K" at 16370,11944.4 h40 r270
RN504: PIN_NUMBER "7" at 17559,11584 h10 r180; PIN_NUMBER "10" at 17482,11584 h10 r180; PIN_NUMBER "8" at 17559,11606.6 h10 r180; PIN_NUMBER "9" at 17495,11606.6 h10 r180; PIN_NUMBER "11" at 17482,11564.4 h10 r180; PIN_NUMBER "15" at 17482,11486 h10 r180; PIN_NUMBER "12" at 17482,11544.8 h10 r180; PIN_NUMBER "16" at 17482,11463.4 h10 r180; PIN_NUMBER "13" at 17482,11525.2 h10 r180; PIN_NUMBER "14" at 17482,11505.6 h10 r180; PIN_NUMBER "1" at 17559,11463.4 h10 r180; PIN_NUMBER "2" at 17559,11486 h10 r180; PIN_NUMBER "3" at 17559,11505.6 h10 r180; PIN_NUMBER "4" at 17559,11525.2 h10 r180; PIN_NUMBER "5" at 17559,11544.8 h10 r180; PIN_NUMBER "6" at 17559,11564.4 h10 r180; ASSEMBLY_TOP "PART#" at 17650,11451.4 h40 r90; ASSEMBLY_TOP "TOL" at 17650,11451.4 h40 r90; ASSEMBLY_TOP "10K" at 17650,11456.4 h40 r90
SW1: PIN_NUMBER "2" at 15612.2,11723 h32; PIN_NUMBER "5" at 15612.2,11927 h32; PIN_NUMBER "4" at 15543.2,11927 h32; PIN_NUMBER "6" at 15681.2,11927 h32; PIN_NUMBER "3" at 15681.2,11723 h32; PIN_NUMBER "1" at 15543.2,11723 h32; ASSEMBLY_TOP "X" at 15665,11900 h40; ASSEMBLY_TOP "X" at 15620,11900 h40; ASSEMBLY_TOP "CASD20TB" at 15525,11900 h40
SW2: PIN_NUMBER "6" at 12509,11400 h40; PIN_NUMBER "7" at 12509,11700 h40; PIN_NUMBER "4" at 12409,11400 h40; PIN_NUMBER "3" at 12359,11400 h40; PIN_NUMBER "2" at 12309,11400 h40; PIN_NUMBER "1" at 12259,11400 h40; PIN_NUMBER "12" at 12243,11700 h40; PIN_NUMBER "11" at 12293,11700 h40; PIN_NUMBER "9" at 12409,11700 h40; PIN_NUMBER "10" at 12343,11700 h40; PIN_NUMBER "5" at 12459,11400 h40; PIN_NUMBER "8" at 12459,11700 h40; ASSEMBLY_TOP "DIP_SWITCH_6" at 12250,11625 h40; ASSEMBLY_TOP "X" at 12345,11625 h40; ASSEMBLY_TOP "X" at 12390,11625 h40
SW3: PIN_NUMBER "5" at 14784,11220 h40; PIN_NUMBER "8" at 14484,11220 h40; PIN_NUMBER "7" at 14584,11220 h40; PIN_NUMBER "6" at 14684,11220 h40; PIN_NUMBER "4" at 14784,10880 h40; PIN_NUMBER "3" at 14684,10880 h40; PIN_NUMBER "2" at 14584,10880 h40; PIN_NUMBER "1" at 14484,10880 h40; ASSEMBLY_TOP "LOW PROFILE DIP-4" at 14500,11125 h40; ASSEMBLY_TOP "X" at 14595,11125 h40; ASSEMBLY_TOP "X" at 14640,11125 h40
SW4: PIN_NUMBER "A1" at 17689,13379 h40; PIN_NUMBER "A" at 17705,13111 h40; PIN_NUMBER "B1" at 17867,13379 h40; PIN_NUMBER "B" at 17883,13111 h40; ASSEMBLY_TOP "PUSHBUTTON SW" at 17760,13320 h40; ASSEMBLY_TOP "X" at 17855,13320 h40; ASSEMBLY_TOP "X" at 17900,13320 h40
SW5: PIN_NUMBER "9" at 11159,11750 h40; PIN_NUMBER "8" at 11209,11750 h40; PIN_NUMBER "7" at 11259,11750 h40; PIN_NUMBER "1" at 11009,11450 h40; PIN_NUMBER "2" at 11059,11450 h40; PIN_NUMBER "3" at 11109,11450 h40; PIN_NUMBER "4" at 11159,11450 h40; PIN_NUMBER "11" at 11043,11750 h40; PIN_NUMBER "10" at 11093,11750 h40; PIN_NUMBER "12" at 10993,11750 h40; PIN_NUMBER "6" at 11259,11450 h40; PIN_NUMBER "5" at 11209,11450 h40; ASSEMBLY_TOP "DIP_SWITCH_6" at 11000,11675 h40; ASSEMBLY_TOP "X" at 11095,11675 h40; ASSEMBLY_TOP "X" at 11140,11675 h40
SW6: PIN_NUMBER "7" at 18099,14910 h40 r270; PIN_NUMBER "8" at 18094,14695 h40 r270; PIN_NUMBER "3" at 17594,14610 h40 r270; PIN_NUMBER "6" at 17444,14610 h40 r270; PIN_NUMBER "2" at 17594,14785 h40 r270; PIN_NUMBER "5" at 17444,14785 h40 r270; PIN_NUMBER "1" at 17599,14995 h40 r270; PIN_NUMBER "4" at 17449,14995 h40 r270; ASSEMBLY_TOP "X" at 17685,14760 h35 r270; ASSEMBLY_TOP "X" at 17685,14790 h35 r270; ASSEMBLY_TOP "SWITCH" at 17685,14820 h35 r270
TP1: PIN_NUMBER "1" at 10159,14850 h40; SYMB_DIM "PAD 60X40RD" at 10275,14925 h40; SYMB_DIM "SM  68X48RD" at 10275,14750 h40; SYMB_DIM "TP1-60X40" at 10275,15050 h40
TP2: PIN_NUMBER "1" at 10309,14850 h40; SYMB_DIM "PAD 60X40RD" at 10425,14925 h40; SYMB_DIM "SM  68X48RD" at 10425,14750 h40; SYMB_DIM "TP1-60X40" at 10425,15050 h40
TP3: PIN_NUMBER "1" at 13221,13275 h35; SYMB_DIM "PAD 60X40RD" at 13335,13350 h40; SYMB_DIM "SM  68X48RD" at 13335,13175 h40; SYMB_DIM "TP1-60X40" at 13335,13475 h40
TP4: PIN_NUMBER "1" at 11509,14900 h40; SYMB_DIM "PAD 60X40RD" at 11625,14975 h40; SYMB_DIM "SM  68X48RD" at 11625,14800 h40; SYMB_DIM "TP1-60X40" at 11625,15100 h40
TP5: PIN_NUMBER "1" at 11309,14525 h40; SYMB_DIM "PAD 60X40RD" at 11425,14600 h40; SYMB_DIM "SM  68X48RD" at 11425,14425 h40; SYMB_DIM "TP1-60X40" at 11425,14725 h40
TP6: PIN_NUMBER "1" at 12809,13925 h40; SYMB_DIM "PAD 60X40RD" at 12925,14000 h40; SYMB_DIM "SM  68X48RD" at 12925,13825 h40; SYMB_DIM "TP1-60X40" at 12925,14125 h40
TP7: PIN_NUMBER "1" at 12334,14525 h40; SYMB_DIM "PAD 60X40RD" at 12450,14600 h40; SYMB_DIM "SM  68X48RD" at 12450,14425 h40; SYMB_DIM "TP1-60X40" at 12450,14725 h40
TP8: PIN_NUMBER "1" at 12209,14525 h40; SYMB_DIM "PAD 60X40RD" at 12325,14600 h40; SYMB_DIM "SM  68X48RD" at 12325,14425 h40; SYMB_DIM "TP1-60X40" at 12325,14725 h40
TP9: PIN_NUMBER "1" at 13009,14150 h40; SYMB_DIM "PAD 60X40RD" at 13125,14225 h40; SYMB_DIM "SM  68X48RD" at 13125,14050 h40; SYMB_DIM "TP1-60X40" at 13125,14350 h40
TP10: PIN_NUMBER "1" at 13084,14050 h40; SYMB_DIM "PAD 60X40RD" at 13200,14125 h40; SYMB_DIM "SM  68X48RD" at 13200,13950 h40; SYMB_DIM "TP1-60X40" at 13200,14250 h40
TP11: PIN_NUMBER "1" at 13134,14150 h40; SYMB_DIM "PAD 60X40RD" at 13250,14225 h40; SYMB_DIM "SM  68X48RD" at 13250,14050 h40; SYMB_DIM "TP1-60X40" at 13250,14350 h40
TP12: PIN_NUMBER "1" at 13209,14050 h40; SYMB_DIM "PAD 60X40RD" at 13325,14125 h40; SYMB_DIM "SM  68X48RD" at 13325,13950 h40; SYMB_DIM "TP1-60X40" at 13325,14250 h40
TP13: PIN_NUMBER "1" at 16184,13300 h40; SYMB_DIM "PAD 60X40RD" at 16300,13375 h40; SYMB_DIM "SM  68X48RD" at 16300,13200 h40; SYMB_DIM "TP1-60X40" at 16300,13500 h40
TP14: PIN_NUMBER "1" at 16309,13350 h40; SYMB_DIM "PAD 60X40RD" at 16425,13425 h40; SYMB_DIM "SM  68X48RD" at 16425,13250 h40; SYMB_DIM "TP1-60X40" at 16425,13550 h40
TP15: PIN_NUMBER "1" at 16184,13425 h40; SYMB_DIM "PAD 60X40RD" at 16300,13500 h40; SYMB_DIM "SM  68X48RD" at 16300,13325 h40; SYMB_DIM "TP1-60X40" at 16300,13625 h40
TP16: PIN_NUMBER "1" at 16309,13475 h40; SYMB_DIM "PAD 60X40RD" at 16425,13550 h40; SYMB_DIM "SM  68X48RD" at 16425,13375 h40; SYMB_DIM "TP1-60X40" at 16425,13675 h40
TP17: PIN_NUMBER "1" at 15534,12700 h40; SYMB_DIM "PAD 60X40RD" at 15650,12775 h40; SYMB_DIM "SM  68X48RD" at 15650,12600 h40; SYMB_DIM "TP1-60X40" at 15650,12900 h40
TP18: PIN_NUMBER "1" at 15034,12700 h40; SYMB_DIM "PAD 60X40RD" at 15150,12775 h40; SYMB_DIM "SM  68X48RD" at 15150,12600 h40; SYMB_DIM "TP1-60X40" at 15150,12900 h40
TP19: PIN_NUMBER "1" at 17419,12795 h40; SYMB_DIM "PAD 60X40RD" at 17535,12870 h40; SYMB_DIM "SM  68X48RD" at 17535,12695 h40; SYMB_DIM "TP1-60X40" at 17535,12995 h40
TP20: PIN_NUMBER "1" at 17909,12895 h40; SYMB_DIM "PAD 60X40RD" at 18025,12970 h40; SYMB_DIM "SM  68X48RD" at 18025,12795 h40; SYMB_DIM "TP1-60X40" at 18025,13095 h40
TP21: PIN_NUMBER "1" at 15534,12525 h40; SYMB_DIM "PAD 60X40RD" at 15650,12600 h40; SYMB_DIM "SM  68X48RD" at 15650,12425 h40; SYMB_DIM "TP1-60X40" at 15650,12725 h40
TP22: PIN_NUMBER "1" at 15034,12525 h40; SYMB_DIM "PAD 60X40RD" at 15150,12600 h40; SYMB_DIM "SM  68X48RD" at 15150,12425 h40; SYMB_DIM "TP1-60X40" at 15150,12725 h40
TP23: PIN_NUMBER "1" at 15034,12875 h40 r90; SYMB_DIM "PAD 60X40RD" at 14975,12975 h40 r90; SYMB_DIM "SM  68X48RD" at 15150,12975 h40 r90; SYMB_DIM "TP1-60X40" at 14850,12975 h40 r90
TP24: PIN_NUMBER "1" at 15534,12875 h40 r90; SYMB_DIM "PAD 60X40RD" at 15475,12975 h40 r90; SYMB_DIM "SM  68X48RD" at 15650,12975 h40 r90; SYMB_DIM "TP1-60X40" at 15350,12975 h40 r90
TP25: PIN_NUMBER "1" at 15034,13050 h40; SYMB_DIM "PAD 60X40RD" at 15150,13125 h40; SYMB_DIM "SM  68X48RD" at 15150,12950 h40; SYMB_DIM "TP1-60X40" at 15150,13250 h40
TP26: PIN_NUMBER "1" at 15534,13050 h40; SYMB_DIM "PAD 60X40RD" at 15650,13125 h40; SYMB_DIM "SM  68X48RD" at 15650,12950 h40; SYMB_DIM "TP1-60X40" at 15650,13250 h40
TP27: PIN_NUMBER "1" at 16919,13595 h40; SYMB_DIM "PAD 60X40RD" at 17035,13670 h40; SYMB_DIM "SM  68X48RD" at 17035,13495 h40; SYMB_DIM "TP1-60X40" at 17035,13795 h40
TP28: PIN_NUMBER "1" at 17414,13490 h40; SYMB_DIM "PAD 60X40RD" at 17530,13565 h40; SYMB_DIM "SM  68X48RD" at 17530,13390 h40; SYMB_DIM "TP1-60X40" at 17530,13690 h40
TP29: PIN_NUMBER "1" at 17519,13485 h40; SYMB_DIM "PAD 60X40RD" at 17635,13560 h40; SYMB_DIM "SM  68X48RD" at 17635,13385 h40; SYMB_DIM "TP1-60X40" at 17635,13685 h40
TP30: PIN_NUMBER "1" at 17319,13745 h40 r270; SYMB_DIM "PAD 60X40RD" at 17410,13645 h40 r270; SYMB_DIM "SM  68X48RD" at 17235,13645 h40 r270; SYMB_DIM "TP1-60X40" at 17535,13645 h40 r270
TP31: PIN_NUMBER "1" at 16919,13745 h40 r180; SYMB_DIM "PAD 60X40RD" at 16835,13670 h40 r180; SYMB_DIM "SM  68X48RD" at 16835,13845 h40 r180; SYMB_DIM "TP1-60X40" at 16835,13545 h40 r180
TP32: PIN_NUMBER "1" at 17669,13745 h40 r270; SYMB_DIM "PAD 60X40RD" at 17760,13645 h40 r270; SYMB_DIM "SM  68X48RD" at 17585,13645 h40 r270; SYMB_DIM "TP1-60X40" at 17885,13645 h40 r270
TP33: PIN_NUMBER "1" at 16944,13945 h40; ASSEMBLY_TOP "TP-30" at 16960,13945 h25; ASSEMBLY_TOP "TOLERANCE" at 16960,13845 h25; ASSEMBLY_TOP "USERPART#" at 16960,13795 h25; SYMBOL_PART_DIM "PAD 38RD" at 16960,13795 h25
TP34: PIN_NUMBER "1" at 16644,13120 h40 r270; SYMB_DIM "PAD 60X40RD" at 16735,13020 h40 r270; SYMB_DIM "SM  68X48RD" at 16560,13020 h40 r270; SYMB_DIM "TP1-60X40" at 16860,13020 h40 r270
TP35: PIN_NUMBER "1" at 15784,12450 h40; SYMB_DIM "PAD 60X40RD" at 15900,12525 h40; SYMB_DIM "SM  68X48RD" at 15900,12350 h40; SYMB_DIM "TP1-60X40" at 15900,12650 h40
TP36: PIN_NUMBER "1" at 15884,12350 h40; SYMB_DIM "PAD 60X40RD" at 16000,12425 h40; SYMB_DIM "SM  68X48RD" at 16000,12250 h40; SYMB_DIM "TP1-60X40" at 16000,12550 h40
TP37: PIN_NUMBER "1" at 15684,12350 h40; SYMB_DIM "PAD 60X40RD" at 15800,12425 h40; SYMB_DIM "SM  68X48RD" at 15800,12250 h40; SYMB_DIM "TP1-60X40" at 15800,12550 h40
TP38: PIN_NUMBER "1" at 15984,12450 h40; SYMB_DIM "PAD 60X40RD" at 16100,12525 h40; SYMB_DIM "SM  68X48RD" at 16100,12350 h40; SYMB_DIM "TP1-60X40" at 16100,12650 h40
TP39: PIN_NUMBER "1" at 12044,14675 h40; SYMB_DIM "PAD 60X40RD" at 12160,14750 h40; SYMB_DIM "SM  68X48RD" at 12160,14575 h40; SYMB_DIM "TP1-60X40" at 12160,14875 h40